# KiCad board labathome_pcb15.kicad_pcb (continued)
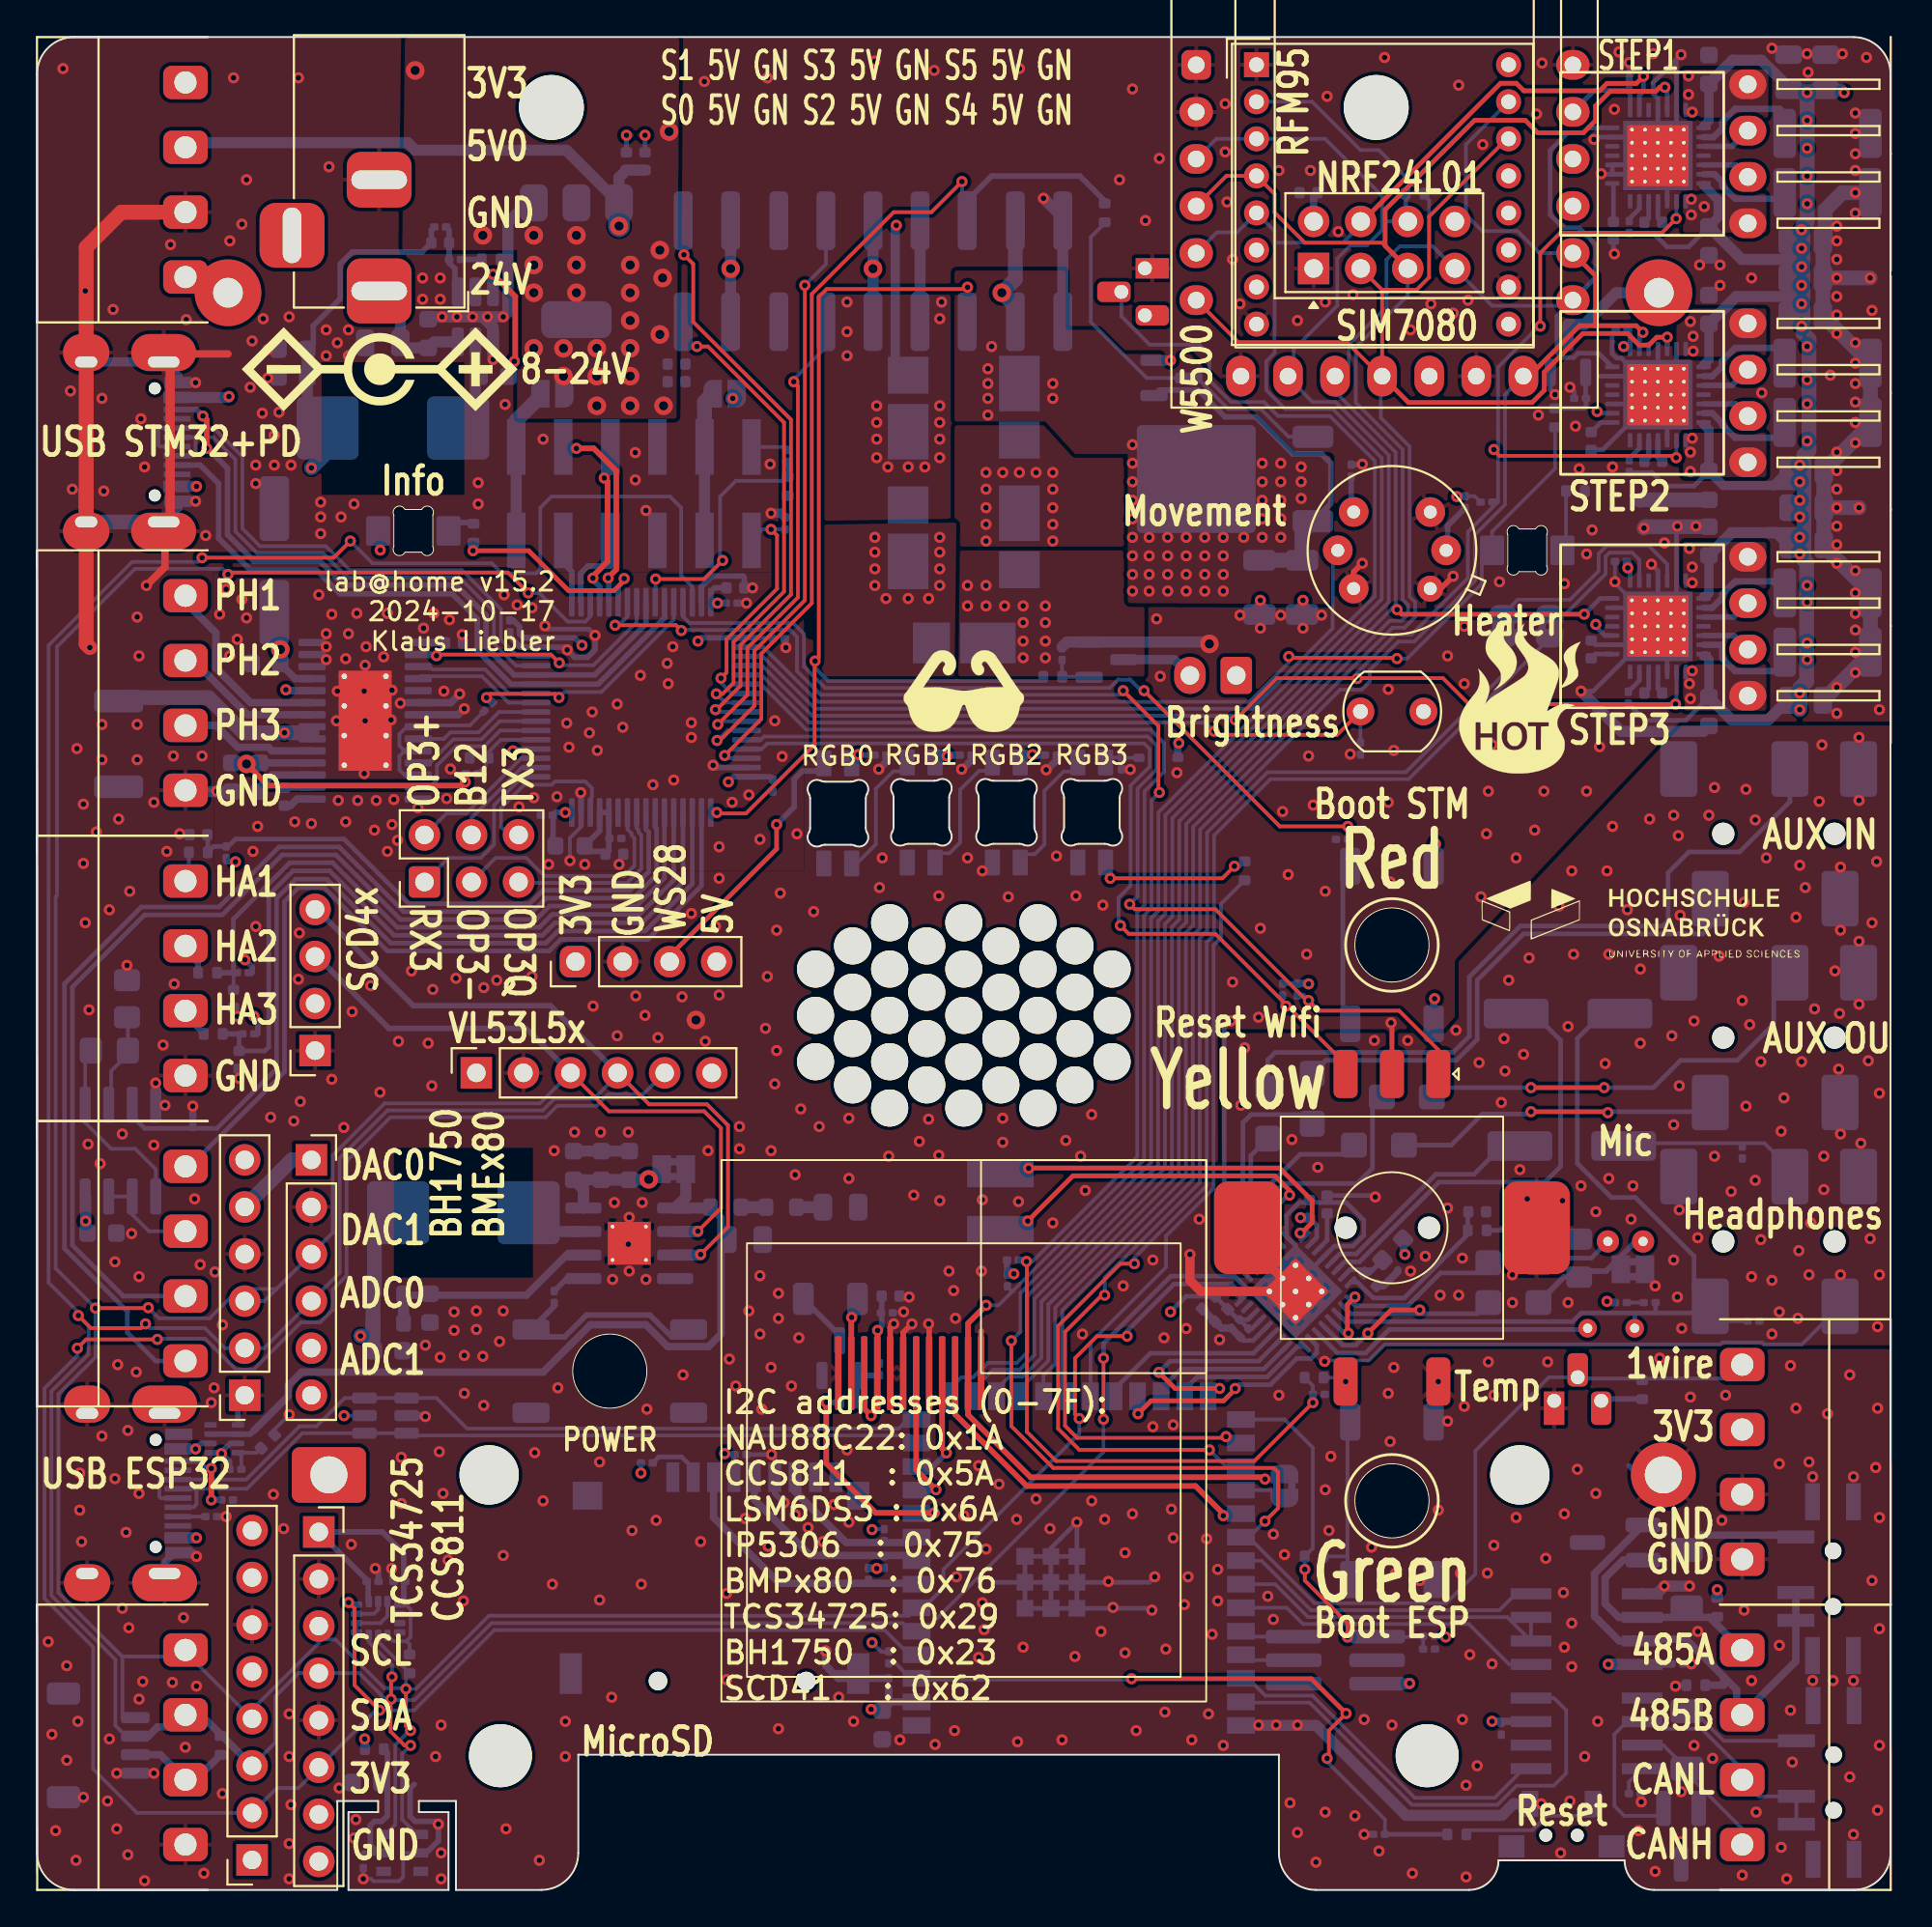
[diagram p0: board, top side]
## Routing (per net, layer and track width the routed paths; a pad name or vN(x,y) marks a point on that pad's centre or on a via; arc(x,y) is an arc through that point) (continued)
+3.3VA: length 3.7
  Bottom w0.25: U10.31 70.84,33.47 72.07,33.47 FB1.1 71.89,33.29 C14.1
+3V3: length 631.3
  Top w0.3: v1(45.35,30.2) 45.35,27.91 ; X2.4 45.33,25.93 v1(45,25.6) 44.63,25.97 X2.3
  In2.Cu w0.25: v1(76.6,75.2) 76.3,75.5 72.17,75.5 U22.4 ; v1(45.05,19.45) 45.05,20.4
  In2.Cu w0.3: v1(18.51,72.31) 18.51,71.89 18.84,71.56 21.61,71.56 28.4,78.35 v2(28.4,81.7)
  In2.Cu w0.4: v1(73.8,34.3) 73.8,36.29 75.7,38.19 ; v1(68.6,48.9) 68.69,48.9 69.09,48.5 75.4,48.5 75.7,48.8 ; 75.7,48.8 75.7,48.4 v1(75.4,48.1) ; 75.7,48.8 75.7,38.19 ; 75.7,48.8 75.7,56.2 v1(75.45,56.45) 74.8,57.1 R32.1 ; v1(84.7,31.77) 83.52,31.77 77.1,38.19 75.7,38.19 ; v1(85.6,83.3) 85.55,83.25 84.59,83.25 ; v1(84.17,79.79) 84.2,79.82 84.2,82.86 84.59,83.25 ; J12.5 12.93,10.45 15.68,10.45 17.67,8.45 v1(17.67,8.15) ; 84.59,83.25 79.35,83.25 79.15,83.45 77.6,83.45 77.19,83.86 ; v1(85.82,71.35) 84.89,71.35 84.18,70.63 84.18,68.38 v1(84.1,68.3) 84.1,65.9 84,65.8 74.85,65.8 74.8,65.75
  In2.Cu w0.6: 66.28,83.33 73.48,83.33 X3.5 78,84.59 78,91.12 U6.13 80.31,93.42 M1.10 M1.11 ; 66.28,83.33 61.42,83.33 U17.3 ; 66.28,83.33 67.2,83.33 67.2,88.38 U15.2 ; 8.61,96.95 19.15,96.95 v2(20.4,98.2) ; v1(28.5,58.15) 30.4,58.15 30.45,58.1 ; v1(76,13.65) 76,11.25 75.9,11.15 75.45,11.15 ; 33.69,63.11 33.46,63.11 v1(29.4,67.17) ; 35.66,69.5 35.71,69.45 v1(36.71,69.45)
  In2.Cu w0.8: 78.4,11.15 83.75,11.15 85.4,12.8 85.4,13.9 86.1,14.6 ; 78.4,11.15 78.4,9.2 v1(78.5,9.1) ; 78.4,11.15 v1(74.05,11.15) 74,11.1 60.5,11.1 59.2,9.8 45.05,9.8 ; v1(11.7,47.15) 11.7,47.52 11.41,47.81 ; 23.3,44.3 21.7,44.3 ; 21.7,44.3 18.25,44.3 14.8,40.85 J10.1 16.25,37.95 16.25,32.6 18.35,30.5 18.35,19.7 19.05,19.7 ; 21.7,44.3 18.8,44.3 15.26,47.84 ; 52.7,31.2 v1(61.15,31.2) ; 52.7,31.2 50.24,28.74 48.04,28.74 45.05,25.75 45.05,22.55 ; 52.7,31.2 v1(52.7,33.25) ; v2(29.1,89.3) 30.7,90.9 35.54,90.9 37.83,88.61 51.19,88.61 53.66,86.14 53.66,84.9 60.25,78.31 69.29,78.31 70.55,77.05 70.55,74.85 U22.4 72.62,72.78 72.62,70.6 ; J2.3 9.81,7.75 9.81,9.99 J12.5 13.4,13.58 13.4,17.52 J20.1 ; 33.82,80.05 35.66,78.22 35.66,65.08 30.45,59.88 30.45,51.5 J8.1 29.05,49.45 J23.1 ; 72.62,70.6 72.45,70.43 72.45,68.65 74.8,66.3 R32.1 ; 72.62,70.6 72.62,73.05 71.3,74.37 ; 86.1,14.6 86.34,14.85 89.3,14.85 v1(90.65,16.2) ; 86.1,14.6 85.4,15.31 85.4,25.09 85.54,25.25 ; 45.05,22.55 38.1,22.55 v1(37.1,23.55) 36.15,22.6 32.68,22.6 v1(32.58,22.5) ; 45.05,22.55 45.05,9.8 ; J21.3 85.94,24.85 85.54,25.25 ; v1(45,9.75) 45.05,9.8 ; 15.58,19.7 19.05,19.7 ; 19.05,19.7 29.78,19.7 v1(32.58,22.5) ; 33.56,62.98 33.56,62.22 35.97,59.8 v1(37.3,59.8) ; 11.41,47.81 11.44,47.84 J4.2 ; 11.41,47.81 10.69,48.53 10.69,55.48 v1(10.7,55.49) ; 32.58,22.5 v1(32.58,22.5) ; v2(34.1,94.9) 48.57,94.9 56.24,87.23 56.24,85.96 57.22,84.98 U17.3 ; 85.54,25.25 U13.3
  Bottom w0.2: v1(45.05,19.45) 45.07,19.47 R58.1 ; v1(28.5,58.15) U5.32 ; 39.68,67.58 U5.1 ; R29.2 77.56,75.22 R53.1 ; 18.9,13.73 19.21,13.43 19.93,13.43 ; R44.2 20.1,13.25 19.93,13.43 ; 45.93,12.85 45.55,12.85 v1(45.05,13.35) ; U9.8 19.89,15.4 20.15,15.14 20.15,13.65 19.93,13.43 ; v1(76,13.65) 75.47,13.65
  Bottom w0.25: J17.4 37.6,23.47 ; U20.15 85.95,71.52 C91.1 ; M1.11 84.03,97.13 C87.1 ; U10.13 65.99,30.74 65.53,30.28 C65.1 C66.1 65.32,30.78 U10.14 ; U20.10 84.59,67.7 84.1,68.19 v1(84.1,68.3) ; v1(85.6,83.3) 85.74,83.16 U19.15 85.95,83.97 ; v1(32.58,22.5) R61.1 ; v1(37.1,23.55) 37.15,23.5 C26.2 ; U19.9 84.26,79.7 v1(84.17,79.79) ; R37.1 R36.2 ; U14.15 85.95,97.08 ; v1(61.15,31.2) 61.99,32.04 C12.1 C13.1 64.8,30.78
  Bottom w0.3: v1(10.7,55.49) 10.2,55.49 ; C33.1 25.69,68.52 26.03,68.19 26.03,67.8 26.25,67.58 U5.48 29,67.58 v1(29.4,67.17) ; 36.35,70.08 36.55,70.28 C36.1 ; C34.1 36.4,69.45 U5.64 ; v1(45.35,30.2) 45.57,30.42 C67.2 ; 84.63,26.24 84.89,26.5 86.59,26.5 ; 27.84,56.47 27.84,57.98 ; 11.61,49.5 11.61,49.81 v1(11.22,50.2) ; 11.91,46.2 11.91,46.94 v1(11.7,47.15) ; 52.33,33.24 R67.1 52.33,33.62 v1(52.7,33.25) ; 70.9,74.5 C60.2 ; v1(35.66,67.4) 35.83,67.58 U5.1 ; C50.1 39.54,60.08 U5.16 37.57,60.08 v1(37.3,59.8) ; C32.1 27.97,58.15 U5.32 ; R53.1 76.62,75.22 v1(76.6,75.2) ; U9.5 17.86,15.6 17.86,16.56 C54.2 17.78,16.74 J20.1 18.63,19.32 19.78,18.16 19.78,15.62 U9.8 ; R8.1 v1(90.65,16.2)
  Bottom w0.4: SW7.1 75.35,48.05 v1(75.4,48.1) ; J11.2 6.66,7.3 J2.3 ; C59.1 68.88,91.4 U15.2 ; v1(18.51,72.31) 18.51,73.24 ; v1(73.8,34.3) 73.71,34.39 FB1.2 ; R36.2 68.58,48.92 v1(68.6,48.9) ; C2.1 45.95,10.03 ; 45.95,10.03 C6.1 ; 45.95,10.03 46.07,10.15 U4.2 ; R54.1 84.76,31.7 v1(84.7,31.77) ; C3.2 86.63,12.2 ; v1(78.5,9.1) 79.7,9.1 ; v1(17.67,8.15) 17.67,7.62 ; v1(75.45,56.45) 75.35,56.35 SW7.1 ; 8.56,5.95 R43.2
  Bottom w0.6: 85.47,12.17 85.46,12.18 v1(84.77,12.18) ; v1(74.05,11.15) 74.03,11.13 J6.2
  Bottom w0.8: J19.5 13.74,39.4 J10.1
  vias: v1(45.3,17.35) v2(24.05,89.3) v2(26.8,89.3) v2(26.8,87.7) v2(26.8,86.2) v2(26.8,83.2) v2(28.4,83.2) v2(29.1,87.7) v2(29.1,86.2) v2(30.2,83.2) v2(30.2,81.7) v2(30.2,80.1) v2(32,87.7) v2(32,86.2) v2(32,84.7) v2(32,83.2) v2(32,81.7) v2(32,80.1) v2(33.6,88.5) v2(33.6,83.95) v2(33.75,87) v2(33.8,80.1)
+3V8: length 15.1
  In2.Cu w0.8: v1(17.45,29.9) 17.46,29.89 17.46,24.12 BT1.1
  Bottom w0.8: 18.2,29.12 18.12,29.2 18.12,29.9 ; 18.2,35.28 18.2,32.22 R28.1 R7.1 18.12,29.9 ; 18.12,29.9 v1(17.45,29.9)
+5V: length 200.7
  In2.Cu w0.6: 62.2,62.5 62.4,62.3 62.4,39.72 65.84,36.28 v1(68.17,36.28)
  In2.Cu w0.8: 32.95,38.45 32.97,38.47 33.43,38.47 38.1,43.14 38.1,50.2 ; v2(37.42,87.5) 37.42,73.23 39.5,71.15 39.5,64.7 42.33,61.87 42.33,61.38 ; v2(37.42,87.5) 35.12,89.8 v2(31.4,89.8) ; v2(37.42,87.5) 37.64,87.72 44.88,87.72 v2(45.1,87.5) 45.32,87.72 50.83,87.72 52.05,86.5 v2(52.05,86.2) ; 38.1,50.2 38.1,57.15 42.33,61.38 ; 38.1,50.2 36.77,50.2 ; 61.08,61.38 64.7,65 ; 61.08,61.38 52.3,61.38 ; 61.08,61.38 v1(61.6,61.9) ; 44.41,61.38 52.3,61.38 ; 44.41,61.38 42.33,61.38 ; 44.41,61.38 v1(44.3,61.28) ; 52.3,61.38 53.59,61.38 v1(53.7,61.28)
  Bottom w0.2: 53.2,89.1 53.2,90.87
  Bottom w0.25: v1(68.17,36.28) 68.18,36.27 C15.1 69.04,35.88 69.04,35.21 U10.26
  Bottom w0.3: 45.02,61.25 44.32,61.25 v1(44.3,61.28) 43.95,60.92
  Bottom w0.4: 49.62,61.25 49.15,61.25 v1(49.1,61.2) 49.05,61.25 49,61.25 48.55,60.8 ; C46.2 53.72,61.25 v1(53.7,61.28) 53.43,61.28 52.95,60.8 ; D20.2 61.55,61.85 v1(61.6,61.9)
  Bottom w0.6: 29.55,38.33 C30.2 29.47,37.8 U2.8 29.47,38.25 29.55,38.33 ; 29.55,38.33 C28.2 ; 31,38.33 32.8,38.33 C31.2 ; C41.2 C42.1 31.4,92.42 U11.3 28.55,93.9 20.4,93.9 20,94.3 8.25,94.3 ; J26.16 v2(37.42,87.5) J26.15 ; J26.9 v2(45.1,87.5) J26.10 ; 33.12,38.33 JP2.2
  Bottom w0.8: 52.78,85.47 v2(52.05,86.2) 52.78,86.93 J26.4 ; 37.75,80.71 v1(37.54,80.5)
  Bottom w1.2: v2(31.4,89.8) U11.3
  vias: v2(33,38.35)
+24V: length 339
  Top w0.3: v1(23.1,59.8) 22.9,59.6 12.47,59.6 v2(11.3,60.77)
  In2.Cu w0.6: v1(2.62,36.1) 1.8,36.92 1.8,52.6 7.15,57.95 9.55,57.95 11.3,59.7 v2(11.3,60.77) ; 10.35,75.65 10.25,75.75 v1(8.6,75.75)
  In2.Cu w1.2: v2(11.3,60.77) 11.3,65.85 12.4,66.95 v2(13.12,66.95) 13.12,72.88 10.35,75.65 v1(10.35,80.6) 10.35,86.15
  In2.Cu w1.6: v1(95.1,75) 95.1,96.6 95.3,96.8 ; v1(95.1,75) v1(95.1,63.7) ; v1(95.1,75) 95.05,75.05 79.45,75.05 74.9,79.6 60.78,79.6 54.95,85.43 54.95,86.7 51.75,89.9 38.38,89.9 35.03,93.25 25.21,93.25 18.46,86.5 ; J9.2 8.75,86.3 J22.4 ; 95.3,96.8 97.1,96.8 ; 95.3,96.8 95.5,96.8
  Bottom w0.2: R68.1 23.13,59.83 v1(23.1,59.8)
  Bottom w0.25: C86.1 89.1,88.67 87.94,88.67 87.23,89.39 85.94,89.39 ; 85.94,76.49 87.05,76.49 87.06,76.5 87.13,76.5 87.86,75.77 89.39,75.77 C89.1 ; C90.1 86.75,63.12 88.95,63.12 C98.1
  Bottom w0.4: U3.11 13.92,65.38 13.12,66.17 ; 13.12,68.62 v2(13.12,66.95) C63.1 ; U3.4 C52.2 ; v2(11.3,60.77) 10.56,60.77
  Bottom w0.5: C86.1 90.7,90.28 90.7,91.21 89.91,92 ; 89.91,95.2 90.2,95.49 C76.1 ; 89.91,66.6 90.01,66.6 90.2,66.41 C98.1 ; 90.2,84.53 90.2,82.59 89.91,82.3 ; 94.15,76.25 C72.2 93.7,75.8 ; 46.3,82.45 46.3,89.78 v1(46.36,89.84) ; v1(95.1,76) 94.9,75.8 93.7,75.8 ; 93.7,75.8 90.97,75.8 C89.1 90.2,78.81 89.91,79.1 ; 89.91,69.8 90.01,69.8 90.2,69.99 C92.1
  Bottom w0.6: C92.1 91.43,73.25 93.4,73.25 ; 19.6,85.16 C80.2 19.87,83.22 C79.2 21.42,83.55 U27.3 ; v1(10.35,80.6) 10.3,80.55 J13.A9 ; v1(97.5,97) 97.35,97.15 C78.2 C77.2 ; C76.1 91.47,98.75 93.04,98.75 94.5,97.29 ; C98.1 91.43,63.15 93.4,63.15 C93.2 ; 93.4,73.25 93.85,73.25 C97.2 ; 93.4,73.25 95.28,73.25 95.32,73.3 ; C86.1 91.97,88 94.5,88 ; 2.59,37.42 2.62,37.4 v1(2.62,36.1) 2.62,35.65 ; 90.2,84.53 91.68,86 94.5,86 ; J13.A4 v1(8.6,75.75)
  Bottom w0.8: 95.28,86 95.28,84.02 95.6,83.7 95.6,77.7 95.32,77.42 95.32,71.78 95.47,71.63 95.47,65.22 95.1,64.85 v1(95.1,63.7) ; 95.28,86 95.28,88 ; 95.28,86 94.5,86 ; 95.28,88 95.28,89.82 95.5,90.05 v1(95.5,97) ; 95.28,88 94.5,88 ; J22.4 9.95,87.05
  vias: v1(95.1,76.9) v1(95.1,74.1) v1(95.1,73) v1(95.1,72.1) v1(95.1,64.6) v1(95.2,89.6) v1(95.2,88.6) v1(95.2,87.6) v1(95.2,86.6) v1(95.2,85.6) v1(95.2,84.4) v1(95.5,95.5) v1(95.5,94) v1(95.5,92.5) v1(95.5,91) v1(95.5,83.3) v1(95.5,81.5) v1(95.5,80.2) v1(95.5,78.2) v1(95.5,70.4) v1(95.5,69.5) v1(95.5,67.3) v1(95.5,66.4)
/slave_cpu/24V_INP: length 1.9
  Bottom w0.2: R65.1 40.25,77.88 J36.1
GND: length 408.6
  Top w0.25: SW6.C 73.1,46.75 v1(73.05,46.8)
  Top w0.3: v1(48.1,30.55) 48.13,30.52 X2.8 ; U22.1 75.73,70.23 v1(76.4,70.9) ; v1(47.2,30.55) 46.73,30.08 X2.6 ; v1(46.22,30.55) 46.03,30.36 X2.5 ; 50.95,30.15 50.93,30.13 X2.12 ; U22.6 71.03,71.13 v1(71.5,71.6)
  Top w0.4: 7.26,82.9 10.3,82.9 ; 6.9,73.76 6.9,71.4 v1(5.9,70.4) ; 2.65,85.35 J13.S1 2.65,68.6
  Top w0.5: NT1.1 62.8,32.3 62.2,32.9 v1(62.2,34.3) ; J13.S1 7.18,82.12 7.18,74.18 J13.S1
  Top w0.8: J22.3 4.55,90.55 2.65,88.65 2.65,75.5 ; v1(2.85,67.05) 2.65,67.25 2.65,75.5 ; 2.65,75.5 J13.S1
  In1.Cu w0.3: U22.1 71.03,70.23 ; U22.3 73.46,74.37 71.57,76.25 ; v1(61.15,82.55) 62,81.7 X3.1 ; U22.6 75.16,74.37 ; v1(59.8,90.1) 59.77,90.07 U17.1
  Bottom w0.2: U12.5 19.75,2 19.75,0.7 19.53,0.47 18.14,0.47 18.02,0.6 v1(17.6,0.6) 17.6,1.02 ; U5.31 29.35,57.38 28.75,56.78 v1(28.75,55.55) ; v1(13.6,25.65) 12.81,24.86 R73.1 ; C91.2 v1(85.13,70.6) 85.13,70.52 U20.29 ; U9.7 18.9,14.78 18.53,14.4 U9.2 U9.1 ; R21.2 86.52,4.78 v1(86.55,4.75) ; U9.6 18.4,15.12 18.17,14.9 U9.3
  Bottom w0.25: U20.29 83.95,64.7 v1(83.3,64.7) ; U14.10 86.55,93.1 ; U14.10 86.95,93.1 ; U14.10 U14.9 ; U14.20 88.45,98.8 v1(88.7,99.05) 87.2,97.55 87.2,96.94 87.45,96.69 U14.18 U14.29 ; U14.20 88.45,94.6 ; U14.20 88.45,95.4 U14.29 ; C73.2 85.05,88.35 v1(85.1,88.3) ; v1(60.3,16.9) 60,16.6 U4.41 ; U4.41 U4.41 ; U4.41 U4.41 ; U4.41 U4.41 U4.41 ; v1(84.39,92.62) 84.41,92.6 U14.9 ; R31.1 82.93,80.87 v1(82.7,81.1) ; U4.41 U4.41 U4.41 ; U4.41 U4.41 ; U4.41 U4.41 ; U4.41 54.7,18.45 v1(56.1,19.85) U4.41 ; U4.41 51.6,16.6 ; U4.41 U4.41 U4.41 ; U4.41 60.05,15.2 v1(60.15,15.1) ; 88.45,82.4 U19.20 88.45,81.7 ; 88.45,69.2 U20.20 88.45,73.55 v1(88.5,73.6) ; C70.2 84.47,77.72 U19.29 ; C26.1 v1(39.62,23.5) 39.8,23.33 J17.6 ; U14.29 85.65,94.6 U14.13 ; U19.18 U19.29 ; U14.9 85.65,92.6 U14.29 ; U14.9 86.45,92.6 ; v1(87.1,71.55) 87.45,71.2 U20.18 U20.29 ; 90.28,86.08 v1(90.8,86.6) ; U19.3 87.95,80.2 ; C94.2 84.08,67.2 U20.9 86.45,67.2 ; v1(85.9,98.62) C87.2 ; U19.29 85.47,82.67 85.22,82.67 84.97,82.92 84.97,84 C120.2 ; C41.1 v1(32.8,94.7) ; v1(64.4,46.9) 64.05,46.55 64.05,34.7 R26.2 ; C65.2 65.1,29.65 65.6,29.65 U10.12 ; U14.13 86.45,94.6 ; U14.13 84.12,94.6 v1(84,94.47) ; 84.32,81.7 U19.13 86.45,81.7 ; C42.2 v1(31.8,94.7) ; U19.10 86.25,80.2 ; v1(81.9,80.7) 81.65,80.95 Q2.2 ; U20.13 86.45,69.2 ; U20.3 87.95,67.7 ; v1(27.4,68.22) 27.58,68.05 29.76,68.05 v1(30.1,67.71) ; U14.3 87.95,92
  Bottom w0.3: v1(18.25,17.35) 18.42,17.18 C54.1 ; 85.9,22.89 87.08,21.71 ; C3.1 v1(89.25,12.2) ; v1(29.33,59.22) 29.35,59.2 U5.31 ; v1(19.14,17.35) 19.14,16.91 19.23,16.81 C55.1 ; v1(61.15,82.55) Q1.2 ; 38.29,60.56 U5.15 36.6,60.58 v1(36.47,60.7) ; 20.35,5.7 20.12,5.47 20.12,3.97 20.4,3.7 21.5,3.7 v1(21.65,3.55) 21.65,2.65 21,2 U12.5 ; C33.2 25.5,67.65 26.08,67.08 U5.47 28.45,67.08 v1(28.6,66.92) 29,66.53 29.7,66.53 30.1,66.93 v1(30.1,67.71) ; R5.2 88.45,11.05 v1(88.4,11) ; v1(71.5,76.95) 71.47,76.92 C60.1 ; v1(38.6,70.28) C36.2 38.16,70.84 38.09,70.91 36.42,70.91 35.82,70.32 35.82,69.47 U5.63 ; C35.2 40.34,67.11 v1(40.4,67.05) ; U18.1 10.84,26.34 ; J17.6 39.8,21.4 v1(40.3,20.9)
  Bottom w0.4: C46.1 55.02,60.99 54.49,60.45 v1(54.45,60.45) ; C47.1 50.42,60.99 49.92,60.48 v1(49.88,60.48) ; C45.1 58.97,60.48 v1(58.98,60.47) ; v1(20.95,25.55) 20.9,25.6 U8.2 ; J5.A1 8.4,18.2 v1(8.6,18) ; v1(23.05,63.75) 22.72,63.42 U3.21 ; v1(22.94,67.75) 22.94,67.34 ; C65.2 C66.2 63.9,30.32 C13.2 C12.2 ; C2.2 43.23,11.42 42.7,11.95 ; C48.1 45.82,60.89 v1(45.41,60.48) ; v1(22.8,64.55) 22.33,64.08 20.56,64.08 ; 7.4,18.2 6.88,17.68 J5.S1 ; 42.7,11.95 42.97,11.68 J17.10 ; 42.7,11.95 42.55,12.1 v1(42.55,12.9)
  Bottom w0.5: 8.6,74.95 J13.A1 7.6,74.6 J13.S1 ; v1(39.6,74.3) 40.13,74.3 40.35,74.08 ; J13.A12 7.6,81.7 J13.S1 J13.S1 ; R48.1 25.4,88
  Bottom w0.6: v2(63.25,67.25) 63.15,67.35 Q5.2 55.56,67.35 55.3,67.08 ; 24.03,84.9 24.6,84.33 U27.1 v1(24.6,82.6) ; 24.03,84.9 v1(24.3,84.9) v1(25.15,84.9) 25.4,85.15 25.4,90 26.45,91.05 ; 24.03,84.9 v1(23.5,84.9) v1(22.65,84.9) v1(21.85,84.9) 21.22,84.9 ; 87.38,15.98 v1(87.8,16.4) v1(89.15,16.4) ; C30.1 C31.1 C28.1 ; 8.08,59.28 9.67,59.28 v1(9.7,59.3) 9.72,59.28 10.5,59.28 ; U4.40 69.01,8.88 73.86,4.03 79.04,4.03 79.66,4.65 SW1.1 ; C98.2 89.9,62.53 85.47,62.53 v1(83.3,64.7) ; 86.58,16 U1.5 ; J26.2 J26.1 ; 55.34,90.26 v1(54.3,91.3) ; J26.7 J26.8
  Bottom w0.8: C96.1 v1(98.3,74.6) ; C88.1 C85.1 96.47,89.12 96.47,90.67 97.4,91.6 R79.2 ; C89.2 86.53,75.03 86.5,75 ; 98.91,79.11 C72.1 C97.1 ; C69.1 v1(98.9,87) ; R88.2 R87.2 96.4,72.51 ; 98.91,66.76 C93.1 ; v1(86.7,73.5) 86.78,73.58 C92.2 ; R84.2 R80.2 96.35,84.96 ; J13.S1 J13.S1
  vias: v1(0.6,13.4) v1(0.8,8.4) v1(1,3.2) v1(1.4,98.3) v1(1.6,12.1) v1(1.6,7) v1(1.8,80.9) v1(1.9,75.6) v1(2.1,1.6) v1(2.15,61.6) v1(2.2,9.1) v1(2.3,22.5) v1(2.3,20.5) v1(2.4,18.8) v1(2.5,58.6) v1(2.5,55.4) v1(2.5,5) v1(2.6,86.3) v1(2.6,52.2) v1(2.8,47.5) v1(2.75,40.25) v1(3.2,57.1) v1(3.4,39.2) v1(3.5,80.5) v1(3.5,62.9) v1(3.5,61) v1(3.5,24.5) v1(3.6,75.5) v1(3.8,4.8) v1(3.9,52.9) v1(3.9,8.15) v1(4.1,85.3) v1(4.2,33.9) v1(4.2,22.2) v1(4.35,28.35) v1(4.3,6.3) v1(4.3,3.3) v1(4.4,57.8) v1(4.6,40.8) v1(4.6,15.2) v1(4.85,49.9) v1(4.8,19.3) v1(4.9,24.8) v1(4.9,1.9) v1(5,53.9) v1(4.95,14.15) v1(5.1,35.42) v1(5.35,27.95) v1(5.4,68.7) v1(5.4,62.9) v1(5.4,61) v1(5.5,66.6) v1(5.5,33.1) v1(5.5,21.4) v1(5.5,10.3) v1(5.6,79.4) v1(5.7,11.25) v1(5.8,76.8) v1(5.8,0.5) v1(6.3,58.7) v1(6.3,40.2) v1(6.3,6.3) v1(6.4,43.55) v1(6.8,45.6) v1(6.9,42.35) v1(7,56.05) v1(7.2,88.8) v1(7.35,61.2) v1(7.3,11.2) v1(7.4,48.9) v1(7.7,57) v1(7.9,14.7) v1(8.05,84.75) v1(8,7.7) v1(8.4,42.3) v1(8.55,81.35) v1(8.55,74.95) v1(8.5,37.3) v1(8.6,11) v1(8.8,33.75) v1(8.9,61.2) v1(9,0.9) v1(9.1,73.1) v1(9.4,26.3) v1(9.55,27.1) v1(9.6,33.35) v1(9.85,68.85) v1(10,30.5) v1(10,5.2) v1(10.2,70.2) v1(10.2,20.15) v1(10.4,89) v1(10.4,66.6) v1(10.6,97.8) v1(10.8,67.5) v1(10.8,47.15) v1(10.9,43.8) v1(11.05,89.9) v1(11.05,69.65) v1(11.3,92.3) v1(11.3,68.65) v1(11.5,81.1) v1(11.6,83.6) v1(11.65,56.05) v1(11.8,76.9) v1(11.8,75.9) v1(11.8,52) v1(11.9,57.4) v1(12.2,84.8) v1(12.15,79.7) v1(12.45,83.15) v1(12.45,81.6) v1(12.6,41.7) v1(12.8,78.5) v1(12.8,76.9) v1(12.75,21.35) v1(13.05,79.75) v1(13.3,19.5) v1(13.6,84.9) v1(13.6,9.5) v1(13.6,7.2) v1(13.6,2.5) v1(13.6,0.6) v1(13.7,76.9) v1(13.7,4.6) v1(13.85,41.5) v1(13.9,57.65) v1(14.1,97.8) v1(14.1,49.15) v1(14.15,51.65) v1(14.2,42.55) v1(14.8,57.55) v1(15.2,69.9) v1(15.3,74.9) v1(15.3,74.1) v1(15.3,73.2) v1(15.6,84.2) v1(15.6,82.8) v1(15.6,67.8) v1(15.6,67.1) v1(15.6,66.4) v1(15.75,93) v1(15.9,68.85) v1(15.9,43.75) v1(16.2,83.5) v1(16.2,64.7) v1(16.15,63.1) v1(16.25,58.8) v1(16.3,5.5) v1(16.4,74.1) v1(16.55,41.15) v1(16.65,66.45) v1(16.65,57.65) v1(16.8,84.2) v1(16.8,82.8) v1(16.8,67.8) v1(17,47.4) v1(16.95,18.65) v1(17.1,74.8) v1(17.1,2.8) v1(17.25,68.9) v1(17.2,3.8) v1(17.3,58.8) v1(17.7,66.1) v1(17.65,64.7) v1(17.7,63.1) v1(17.65,60.25) v1(17.75,67.1) v1(18,48.8) v1(18.2,57.2) v1(18.3,58.8) v1(18.5,43.05) v1(18.7,66.55) v1(18.9,68.9) v1(18.9,56.05) v1(19.1,63.15) v1(19.15,64.75) v1(19.25,58.85) v1(19.15,57.5) v1(19.45,56.65) v1(19.5,45.8) v1(19.6,64.05) v1(19.65,23.35) v1(19.65,20.85) v1(20.2,49.6) v1(20.55,58.4) v1(20.8,87) v1(20.8,85.85) v1(20.85,68.1) v1(20.95,29.4) v1(21.1,45.7) v1(21.35,48.6) v1(21.3,43.4) v1(21.4,68.9) v1(21.5,7.2) v1(21.7,23.65) v1(21.75,87) v1(21.75,85.85) v1(21.75,28.75) v1(21.8,8.9) v1(21.8,2) v1(21.8,0.6) v1(21.9,21.4) v1(21.95,64.7) v1(22.1,58.9) v1(22.25,68.55) v1(22.17,17.8) v1(22.3,60.5) v1(22.5,31.2) v1(22.5,30.2) v1(22.6,49.2) v1(23.05,28.85) v1(23.05,26.8) v1(23,15.6) v1(23.7,31.25) v1(23.7,30.25) v1(23.8,75.95) v1(23.8,74.8) v1(24.05,28.8) v1(24.1,48.7) v1(24.1,26.15) v1(24.8,49.1) v1(24.95,29.6) v1(25.25,80.17) v1(25.2,69.9) v1(25.15,31.25) v1(25.15,18.05) v1(25.3,3.3) v1(25.9,69.35) v1(26,58.45) v1(26.7,69.2) v1(26.7,49.3) v1(26.8,58.95) v1(26.85,23.6) v1(27.1,1.6) v1(27.3,78.3) v1(27.3,21) v1(27.6,55.35) v1(27.8,16.5) v1(27.9,39.9) v1(28.05,59) v1(28.1,27.1) v1(28.5,9.1) v1(28.5,7.2) v1(28.57,62.97) v1(28.7,61.67) v1(29,40.9) v1(29.55,55.35) v1(29.8,62.45) v1(29.95,63.58) v1(30,47.7) v1(30.22,61.5) v1(30.35,23.1) v1(30.35,15.65) v1(30.4,40.9) v1(31,10.4) v1(31.05,32.95) v1(31.15,37.1) v1(31.3,64) v1(31.3,46.1) v1(31.4,55.35) v1(31.6,62.75) v1(31.9,40.9) v1(31.95,36.3) v1(31.9,34.85) v1(31.95,33.4) v1(32.1,19.4) v1(32.28,77.58) v1(32.28,76.1) v1(32.3,48.25) v1(32.55,65.55) v1(32.6,16.5) v1(32.65,37.1) v1(32.85,74.45) v1(32.8,47.2) v1(32.85,32.95) v1(32.9,25.95) v1(33.22,59.65) v1(33.4,19.95) v1(33.5,46) v1(34,66.2) v1(34.05,65.1) v1(34.3,67.1) v1(34.35,59.9) v1(34.8,48.2) v1(34.85,27.8) v1(35.3,63) v1(35.3,62.2) v1(35.3,52.7) v1(35.8,18.8) v1(36,97.6) v1(36.05,45.8) v1(36.2,39.9) v1(36.6,52) v1(36.8,56.3) v1(36.8,54.6) v1(36.8,48.3) v1(37.2,16) v1(37.2,11.35) v1(37.35,28.65) v1(37.5,58.7) v1(37.7,27.2) v1(37.9,41.2) v1(37.9,40) v1(38.2,20.05) v1(38.28,69.45) v1(38.4,59.1) v1(38.4,31.25) v1(39,56.7) v1(39,33.15) v1(39,30) v1(39.1,25.95) v1(39.3,46.5) v1(39.4,97.8) v1(39.4,49.3) v1(39.45,18.55) v1(39.55,76.95) v1(39.6,39.9) v1(39.6,28.2) v1(39.8,63.1) v1(39.8,43.5) v1(39.9,51.8) v1(39.9,45.3) v1(40,32.2) v1(40,30.85) v1(40,8.7) v1(40.1,53.8) v1(40.2,61.17) v1(40.7,27.2) v1(40.9,38.6) v1(40.9,20.25) v1(41,57) v1(41.1,29.8) v1(41.2,42.15) v1(41.6,19.55) v1(41.9,52.8) v1(42.2,41.2) v1(42.4,18.8) v1(43,20.8) v1(43.25,10.4) v1(43.7,23.75) v1(43.8,41.65) v1(43.8,38.4) v1(43.8,19.85) v1(44.05,9.1) v1(45.2,98.7) v1(45.45,54.1) v1(45.6,55.7) v1(45.95,39.6) v1(46.55,8.1) v1(46.75,31.2) v1(47.05,32) v1(47.3,37.5) v1(47.6,40.4) v1(48.1,41.6) v1(48.4,98.2) v1(48.45,7.85) v1(48.65,53.65) v1(48.65,39.65) v1(48.7,37.2) v1(49.2,33.4) v1(49.45,32.35) v1(49.5,8.6) v1(49.55,30.85) v1(49.6,16.9) v1(50,20.2) v1(50.2,55.7) v1(50.8,22.9) v1(50.8,12.55) v1(50.95,33.4) v1(51,55) v1(51,37.25) v1(51,15.5) v1(51.1,14.05) v1(51.2,18.4) v1(51.9,21.9) v1(52.1,41.65) v1(52.1,40.35) v1(52.4,53.6) v1(52.85,20) v1(52.95,37.15) v1(52.9,8) v1(53,98.3) v1(53.2,13.1) v1(53.9,21.1) v1(54.65,19.5) v1(54.8,36) v1(55,55.8) v1(55.3,8.1) v1(55.5,40.45) v1(56,12.6) v1(56.05,53.65) v1(56.3,39.6) v1(56.4,30) v1(56.55,37.75) v1(56.9,41.85) v1(56.9,21) v1(57.4,13.95) v1(57.5,53.15) v1(57.6,20) v1(57.8,16.65) v1(58.05,15.25) v1(58.4,92.3) v1(58.6,32.6) v1(58.7,18.2) v1(58.7,12.8) v1(59.1,97.2) v1(59.1,20.3) v1(59.3,8.6) v1(60.2,34) v1(60.2,25) v1(60.4,68.6) v1(60.55,93.45) v1(60.6,65.5) v1(60.8,29.8) v1(60.85,9.6) v1(60.9,13) v1(61.2,20.55) v1(61.3,25.1) v1(61.3,19) v1(61.5,60.3) v1(61.9,15.4) v1(62,30.3) v1(62.1,16.9) v1(62.3,8.1) v1(62.7,36.2) v1(63.1,18.95) v1(63.2,9.5) v1(63.4,13.8) v1(63.7,17.3) v1(63.7,15.6) v1(63.8,29.7) v1(64,7.8) v1(64.1,96.4) v1(64.1,93.8) v1(64.2,91.1) v1(64.5,88) v1(64.5,49) v1(64.9,85.6) v1(64.9,68.8) v1(65.9,47.1) v1(65.9,8.9) v1(66,69.6) v1(66,68.1) v1(66,51.9) v1(66.4,15.85) v1(66.7,19.2) v1(66.7,14.6) v1(66.85,8.9) v1(67,92.8) v1(67,26.7) v1(67.1,68.8) v1(67.2,58.2) v1(67.3,18.1) v1(67.5,54.8) v1(67.6,4.7) v1(68,84.7) v1(68,8.9) v1(68,3.1) v1(68.3,69.6) v1(68.3,68.1) v1(68.5,50.5) v1(68.6,61.2) v1(68.7,92.8) v1(68.85,58.55) v1(69,1.5) v1(69.3,68.8) v1(69.5,85.7) v1(69.5,53.9) v1(69.5,21.6) v1(69.5,4.2) v1(69.6,96.8) v1(69.7,19.4) v1(69.8,23.4) v1(70.2,89.5) v1(70.85,61.3) v1(71,86.1) v1(71.1,4) v1(71.6,9.2) v1(71.6,3) v1(72,18.5) v1(72.4,2.1) v1(72.7,98.9) v1(72.9,64.8) v1(72.9,58.7) v1(72.9,26.8) v1(73,54.4) v1(73,24.2) v1(73.1,8.9) v1(73.2,61.5) v1(73.2,28.2) v1(73.3,17.1) v1(74.1,84.2) v1(74.2,0.9) v1(74.6,16.7) v1(75.2,85.6) v1(75.6,27.44) v1(75.6,20.5) v1(76.1,66.6) v1(76.1,25.3) v1(76.4,85.1) v1(76.7,97.4) v1(76.8,17.1) v1(76.9,9.2) v1(77,68.2) v1(77,65.1) v1(77,26.1) v1(77.1,5.65) v1(77.1,0.7) v1(77.2,85.8) v1(77.3,12.7) v1(77.7,6.7) v1(77.9,53.6) v1(78,94.2) v1(78.2,57) v1(78.25,17.1) v1(78.3,59.3) v1(78.3,28.5) v1(78.5,61.8) v1(78.5,12.2) v1(78.6,26.7) v1(78.6,18.6) v1(78.9,70.6) v1(79.8,55.7) v1(79.8,20.1) v1(80.8,57.2) v1(80.9,95.85) v1(81,79.6) v1(81.2,98.6) v1(81.15,4.65) v1(81.3,59.3) v1(81.4,17.9) v1(81.5,28.5) v1(81.6,61.8) v1(82.2,2) v1(82.35,16.05) v1(82.4,70.5) v1(82.4,20.3) v1(82.4,13.1) v1(82.7,4.8) v1(82.8,14.4) v1(82.8,12.05) v1(83,79) v1(83.1,22.7) v1(83.2,76.7) v1(83.5,7.2) v1(83.6,72.1) v1(83.6,59.3) v1(83.9,73.4) v1(84.1,21.4) v1(84.2,9.1) v1(84.3,61.7) v1(85,76.8) v1(85.1,96.1) v1(85.35,99.2) v1(86.4,3.2) v1(87.2,99.1) v1(87.3,1) v1(87.55,28.7) v1(87.8,72.7) v1(88.7,5.3) v1(88.7,2.6) v1(89.2,26.6) v1(89.4,7.8) v1(89.5,73.6) v1(89.6,13.95) v1(89.7,87.7) v1(90.4,7.1) v1(90.8,87.7) v1(90.9,19.95) v1(91.1,26.7) v1(92,0.8) v1(92.1,15.1) v1(92.5,87) v1(92.5,11.3) v1(92.75,4.2) v1(93.05,80.8) v1(93.6,99.4) v1(94,23) v1(94,13.2) v1(94.1,2.3) v1(94.4,0.6) v1(94.6,28.3) v1(94.6,9.7) v1(94.7,6.9) v1(94.9,26) v1(95.5,99.1) v1(95.55,98.1) v1(95.6,23.1) v1(95.8,22.3) v1(95.8,11.3) v1(96.6,25.7) v1(96.75,81.75) v1(96.9,11.3) v1(97.1,89.8) v1(97.1,89) v1(97.1,88) v1(97.1,87) v1(97.1,86) v1(97.1,85) v1(97.1,84) v1(97.1,77.6) v1(97.1,76.6) v1(97.1,75.6) v1(97.1,74.6) v1(97.1,73.6) v1(97.1,72.6) v1(97.1,71.6) v1(97.1,64.9) v1(97.1,63.5) v1(97.4,99.1) v1(97.8,27.8) v1(97.8,6.1) v1(98,22.3) v1(98,11.3) v1(98,3) v1(98.1,95.9) v1(98.1,94.8) v1(98.1,93.7) v1(98.1,92.8) v1(98.1,91.6) v1(98.1,90.5) v1(98.1,83.5) v1(98.1,82.4) v1(98.1,81.3) v1(98.1,80.3) v1(98.1,79.2) v1(98.1,78.1) v1(98.1,71.2) v1(98.1,70) v1(98.1,68.9) v1(98.1,68) v1(98.1,66.8) v1(98.1,65.7) v1(98.7,98.9) v1(99,85.25) v1(99,16.7) v1(99.2,22.8) v1(99.3,26) v1(99.3,4.3) v1(99.4,63.7) v1(99.4,20.1) v1(99.4,14.1) v1(99.4,7.8) v2(35.55,46.95)
GNDA: length 52.1
  Top w0.5: 65.3,34.9 U10.33 ; NT1.2 U10.33
  Bottom w0.2: v1(69.47,28.53) 69.51,28.58 71.84,28.58 72.71,29.44 90.82,29.44 90.93,29.55 93.07,29.55 93.18,29.44 95.22,29.44 J16.S
  Bottom w0.25: U10.33 67.9,34.77 U10.24 67.41,36.41 68.1,37.1 69.6,37.1 ; v1(72.2,37.4) 72.12,37.48 C21.2 69.6,37.1 ; 69.6,37.1 70.62,37.1 71.58,36.14 71.58,35.33 71,34.75 70,34.75 U10.28 67.9,32.65
  Bottom w0.4: 73.42,33.48 73.42,33.38 72.65,32.61 C14.2
  vias: v1(64.95,42.35) v1(65.15,45.45) v1(67.7,40.5) v1(69.1,39) v1(72.15,45.85) v1(73.95,45.85) v1(74.1,33.4) v1(74.9,34.2) v1(75.7,32.1) v1(76.1,36.8) v1(76.55,46.4) v1(76.7,32.1) v1(76.9,34.1) v1(77.8,44.65) v1(79,42.5) v1(79.15,45.95) v1(79.2,44.2) v1(79.4,49.1) v1(79.6,33.2) v1(79.6,31.7) v1(80,38.88) v1(80.2,45.1) v1(80.4,37.3) v1(80.5,50.3) v1(82.1,53.1) v1(82.3,37.2) v1(82.6,46.6) v1(82.6,31.7) v1(82.8,55) v1(82.9,50.5) v1(83.3,38) v1(84.1,36.6) v1(84.6,44.6) v1(84.7,55) v1(84.8,50.5) v1(84.8,38.4) v1(85,57.4) v1(85.8,52.9) v1(86,36.2) v1(86.1,38) v1(86.5,49.7) v1(86.5,45.7) v1(87,57.8) v1(87.3,32.6) v1(88.2,46.1) v1(88.3,58) v1(88.3,41.3) v1(88.3,34) v1(88.5,32) v1(88.55,56.9) v1(88.6,43.4) v1(88.6,36.7) v1(88.65,52.6) v1(88.74,30.31) v1(89.4,46.9) v1(89.6,35.2) v1(90.2,58) v1(90.5,59.5) v1(90.5,39.6) v1(90.6,36.6) v1(90.75,50.4) v1(91.4,37.7) v1(92,48) v1(92.1,53.3) v1(92.2,59.4) v1(92.2,42.3) v1(92.4,46.7) v1(92.5,33.1) v1(92.7,57.75) v1(92.7,38.3) v1(93,44.7) v1(93,35.1) v1(93.3,55.7) v1(93.6,32.9) v1(93.6,30) v1(94,31.2) v1(94.1,40.95) v1(94.25,42.75) v1(94.9,52.5) v1(95,30.85) v1(95.1,55.3) v1(95.05,34.5) v1(95.2,44.7) v1(95.4,54.1) v1(95.6,33.2) v1(95.7,36) v1(95.9,47.55) v1(96.15,58.75) v1(96.3,61.8) v1(96.4,39.6) v1(96.4,37.8) v1(97,49.6) v1(97.25,47.3) v1(97.2,44.3) v1(97.3,55.2) v1(97.3,51.8) v1(97.3,40.8) v1(97.3,33.2) v1(98.3,62.2) v1(98.3,58.8) v1(98.3,51.2) v1(98.3,47.8) v1(98.4,40.3) v1(98.8,44.75) v1(98.9,35.15) v1(99,52.2) v1(99.25,55.5) v1(99.3,30.4) v1(99.4,43) v1(99.4,33.2)
1wire: length 134.9
  Top w0.2: v1(66.25,19.9) 66.95,20.6 66.95,22.55 66.72,22.78 54.82,22.78 52.56,25.04 v1(52.56,29.64)
  Bottom w0.2: 65.36,19.04 68.93,15.47 76.02,15.47 77.6,17.05 77.6,23.7 81.57,27.67 U13.2 ; 86.51,27.6 83.19,27.6 ; U17.2 58.5,84.93 60.03,83.4 62.7,83.4 63.25,82.85 63.25,81.47 64.42,80.3 66.2,80.3 66.95,79.55 69.75,79.55 72.18,77.12 72.18,69.82 71.49,69.13 71.48,69.13 60.5,58.15 60.5,52.84 60.1,52.44 60.1,39.26 53.06,32.22 53.06,30.13 v1(52.56,29.64) ; 86.69,27.6 91.25,27.6 ; v1(66.25,19.9) 65.39,19.04